# KiCad board miniFPGA_panel.kicad_pcb (continued)
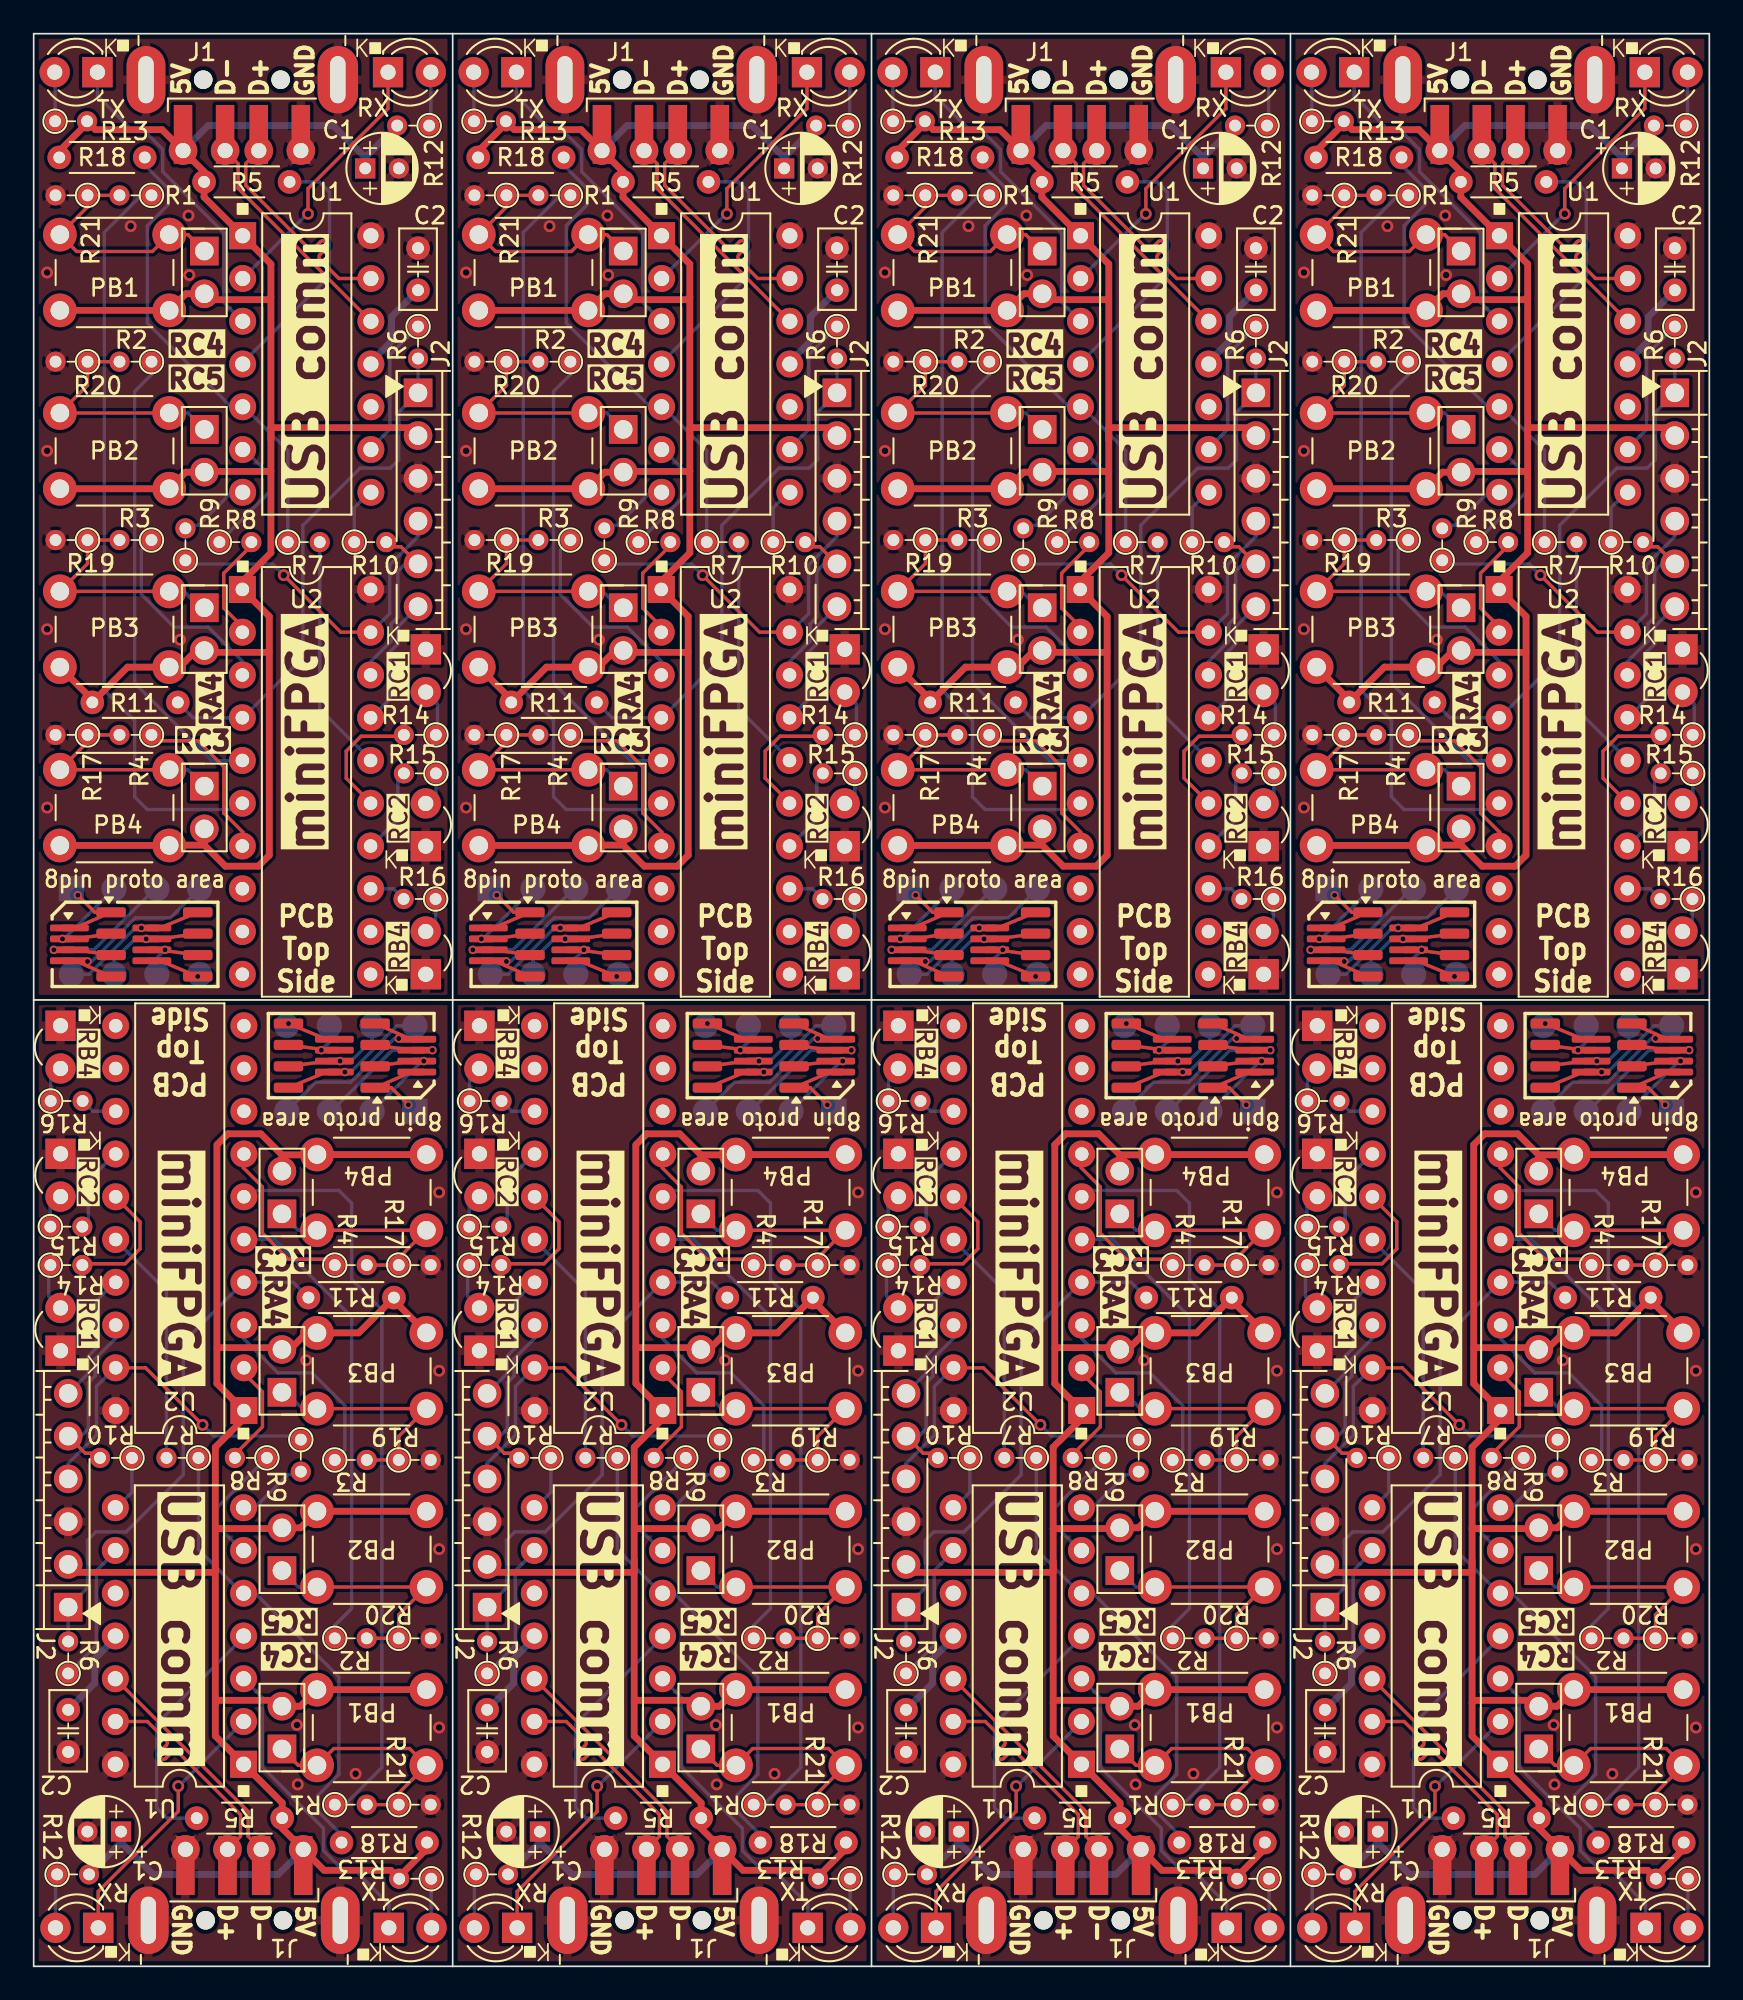
[diagram p0: board, top side]
## Routing (per net, layer and track width the routed paths; a pad name or vN(x,y) marks a point on that pad's centre or on a via; arc(x,y) is an arc through that point) (continued)
Board_4-Net-(A1-Pin_1): length 2.4
  Top w0.2: A1#3.1 21.25,52.19 v2(22.27,51.18)
Board_4-Net-(A1-Pin_2): length 4.3
  Bottom w0.2: v2(23.18,53.77) 23.09,53.77 TP2#4.1
Board_4-Net-(A1-Pin_3): length 7.6
  Bottom w0.2: v2(23.69,54.42) 21.31,54.42 17.68,50.8 TP3#8.1
Board_4-Net-(A1-Pin_4): length 8.9
  Top w0.2: A1#3.4 23.22,55.12 23.58,55.12
  Bottom w0.2: TP4#8.1 16.76,52.52 18.84,52.52 21.44,55.12 v2(21.69,55.12)
Board_4-Net-(A1-Pin_5): length 0.2
  Bottom w0.2: v2(15.14,56) 15.03,55.89 TP5#2.1
Board_4-Net-(A1-Pin_6): length 1.6
  Bottom w0.2: v2(17.09,54.42) 17.57,54.9 TP6#6.1
Board_4-Net-(A1-Pin_7): length 3.3
  Bottom w0.2: TP7#4.1 20.11,55.02 18.86,53.77 v2(18.2,53.77)
Board_4-Net-(A1-Pin_8): length 5.3
  Bottom w0.2: v2(18.49,53.12) 18.85,53.12 21.6,55.88 TP8#3.1
Board_4-Net-(JP1-A): length 14.3
  Top w0.2: 20.19,9.6 R21#7.1 21.69,10.29 PB1#7.1 22.34,12.94 17.84,12.94 PB1#7.1 15.73,11.94 JP1#2.1
Board_4-Net-(JP2-A): length 14.3
  Top w0.2: PB2#7.1 PB2#7.1 21.69,20.89 R20#3.1 20.16,19.49
  Bottom w0.2: JP2#8.1 15.73,22.53 PB2#7.1
Board_4-Net-(JP3-A): length 14.3
  Top w0.2: PB3#2.1 PB3#2.1 21.69,31.48 R19#6.1 20.16,30.08
  Bottom w0.2: PB3#2.1 15.97,33.13 14.99,34.1 JP3#5.1
Board_4-Net-(JP4-A): length 13.3
  Top w0.2: PB4#4.1 PB4#4.1 21.69,42.08 R17#8.1 20.16,41.66
  Bottom w0.2: JP4#6.1 15.73,43.72 PB4#4.1
Board_4-Net-(LED1-A): length 3.2
  Bottom w0.2: LED1#3.2 1.3,5.35 1.4,5.46
Board_4-Net-(LED1-K): length 15.9
  Top w0.2: LED1#3.1 3.84,4.45 8.59,9.2 v1(8.59,10.7)
  Bottom w0.2: 12.47,14.46 12.47,14.47 U1#7.2 8.63,10.7 v1(8.59,10.7)
Board_4-Net-(LED2-A): length 2.9
  Bottom w0.2: LED2#2.2 23.62,2.31 R13#5.1
Board_4-Net-(LED2-K): length 18.8
  Bottom w0.2: 12.47,17.09 13.59,15.97 13.59,11.83 17.22,8.2 17.22,6.87 18.29,5.8 18.99,5.8 21.1,3.69 LED2#2.1
Board_4-Net-(LED3-A): length 2.8
  Bottom w0.2: 0.89,41.66 0.89,39.81 LED3#8.2
Board_4-Net-(LED4-A): length 2
  Bottom w0.2: 0.99,43.94 0.99,45.12 LED4.2
Board_4-Net-(LED5-A): length 2.2
  Bottom w0.2: R16#3.1 1.01,52.75 LED5#7.2
Board_4-Net-(U1-GP2): length 4.1
  Bottom w0.2: 12.47,27.16 13.05,27.16 15.1,29.21 15.77,29.21
Board_4-Net-(U1-GP3): length 3.7
  Bottom w0.2: 5.86,30.48 5.84,30.46 5.84,28.16 4.85,27.16
Board_4-Net-(U1-SDA): length 8.4
  Bottom w0.2: 4.85,24.62 3.73,23.51 3.73,19.08 R6#8.1
Board_4-Net-(U1-VUSB): length 5.4
  Bottom w0.4: C2#2.1 3.63,16.81 3.63,18.27 4.84,19.48 4.85,19.48
Board_4-Net-(U1-~{RST}): length 14.9
  Bottom w0.2: R5#8.1 7.92,8.8 7.31,9.41 7.31,14.39 12.47,19.54
Board_4-VDD: length 134.9
  Top w0.4: PB2#7.2 PB2#7.2 15.85,26.05 JP2#8.2 14.71,26 10.79,26 ; PB4#4.2 PB4#4.2 16.82,48.2 14.75,48.2 ; 10.89,36.76 14.64,36.76 JP3#5.2 15.23,36.64 16.22,37.63 PB3#2.2 19.31,37.63 R11#4.1 21.41,39.56 PB3#2.2 ; 14.75,48.2 JP4#6.2 ; 14.75,48.2 13.5,49.46 11.54,49.46 10.89,48.8 10.89,34.62 12.46,33.05 12.46,32.5 10.79,30.84 10.79,13.69 14.77,9.71 14.77,8.2 17.26,5.7 21.22,5.7 R13#5.2 21.72,5.33 23.37,6.98 R18#7.1 ; 10.79,24.13 10.79,23.4 2.52,23.4 J2#8.2 ; 10.79,15.66 10.93,15.8 14.4,15.8 JP1#2.2 15.85,15.45 PB1#7.2 PB1#7.2
  Bottom w0.4: J1#5.1 14.53,5.46 7.09,5.46 5.19,7.36 ; 5.19,7.36 C1#3.1 ; 5.19,7.36 R12#4.2
Board_5-/RA0: length 20.5
  Top w0.2: v1(34.93,32.16) 31.54,35.56 29.73,35.56
  Bottom w0.2: 40.66,31.11 40.26,31.5 35.58,31.5 35.29,31.8 35.29,31.8 v1(34.93,32.16) ; 29.73,35.56 28.63,34.46 28.63,31.55 26.94,29.87 J2#4.4
Board_5-/RA1: length 10.5
  Top w0.2: J2#4.5 27.96,30.48 28.86,30.48
  Bottom w0.2: J2#4.5 27.71,31.5 28.14,31.93 28.14,34.67 28.54,35.07 28.54,36.09 29.73,37.27 29.73,38.09
Board_5-/RA2: length 7.8
  Bottom w0.2: J2#4.6 28.14,35.24 28.14,36.25 28.63,36.74 28.63,39.54 29.73,40.64
Board_5-/RA4: length 11.9
  Bottom w0.2: 37.38,38.09 37.38,37.28 39.41,35.25 41.44,35.25 43.38,33.31 43.38,30.68 R3#4.1
Board_5-/RA5: length 6.3
  Top w0.2: 36.85,30.48 36.92,30.48 38.49,32.05 38.49,34.13 37.35,35.27 37.35,35.56
Board_5-/RB4: length 2.2
  Bottom w0.2: U2#4.13 28.41,50.8 R16#8.2
Board_5-/RC0: length 14.2
  Bottom w0.2: 29.73,43.18 32.78,40.12 R7#4.2
Board_5-/RC1: length 7.5
  Top w0.2: R14#6.2 27.86,41.74 30.32,41.74 31.21,42.62 31.21,44.23 29.73,45.72
Board_5-/RC2: length 5.1
  Bottom w0.2: 29.73,48.26 28.14,46.67 28.14,44.31 27.78,43.94
Board_5-/RC3: length 10.3
  Top w0.2: R4#6.1 42.44,42 40.04,42 38.48,43.56 38.48,46.3 37.35,47.44 37.35,48.26
Board_5-/RC4: length 44.5
  Bottom w0.2: 37.35,45.72 37.72,46.09 43.03,46.09 43.78,45.34 43.78,40.8 45.58,39 45.58,11.81 43.38,9.6 43.18,9.6
Board_5-/RC5: length 27.8
  Bottom w0.2: 37.35,43.18 39.19,43.18 43.78,38.58 43.78,21.25 42.78,20.25 R2#2.1
Board_5-/URx: length 27.9
  Bottom w0.2: R7#4.1 34.68,24.76 37.36,22.08 38.13,22.08 43.03,17.19 43.03,11.4 41.78,10.16 41.78,9.2 43.18,7.8 R18#2.2
Board_5-/USB_D+: length 13.7
  Top w0.2: J1.3 37.18,7.72 37.18,9.01 33.44,12.76 arc(33.29,12.82) 33.14,12.76 32.74,12.35 arc(32.59,12.29) 32.45,12.35 32.37,12.43 arc(32.31,12.58) 32.37,12.72 32.77,13.12 arc(32.84,13.27) 32.77,13.42 31.65,14.54 U1#2.13 29.74,14.54
Board_5-/USB_D-: length 13.7
  Top w0.2: J1.2 37.63,7.72 37.63,9.2 U1#2.12 ; 29.75,17 29.74,17
Board_5-/UTx: length 7.5
  Bottom w0.2: R8#3.1 35.78,27.24 35.78,26.2 37.36,24.62
Board_5-/~{MCLR}: length 30.9
  Bottom w0.2: R11.2 40.31,40.64 37.35,40.64 33.78,37.07 33.78,29.2 30.38,25.8 28.59,25.8 28.09,25.31 28.09,22.49 J2#4.1 R6#7.2
Board_5-GNDD:
  vias: v1(40.54,14.34) v1(40.58,10.8) v1(41.08,36) v1(44.02,11.44) v1(48.98,45.97) v1(48.98,35.38) v1(48.98,24.78) v1(48.98,14.19)
Board_5-Net-(A1-Pin_1): length 2.4
  Top w0.2: v2(47.16,51.18) 46.15,52.19 A1#6.1
Board_5-Net-(A1-Pin_2): length 4.3
  Bottom w0.2: TP2#3.1 47.98,53.77 v2(48.07,53.77)
Board_5-Net-(A1-Pin_3): length 7.6
  Bottom w0.2: v2(48.58,54.42) 46.2,54.42 42.57,50.8 TP3#5.1
Board_5-Net-(A1-Pin_4): length 8.9
  Top w0.2: A1#6.4 48.11,55.12 48.47,55.12
  Bottom w0.2: v2(46.58,55.12) 46.33,55.12 43.73,52.52 41.65,52.52 TP4.1
Board_5-Net-(A1-Pin_5): length 0.2
  Bottom w0.2: v2(40.03,56) 39.92,55.89 TP5#7.1
Board_5-Net-(A1-Pin_6): length 1.6
  Bottom w0.2: TP6#5.1 42.46,54.9 v2(41.98,54.42)
Board_5-Net-(A1-Pin_7): length 3.3
  Bottom w0.2: TP7#3.1 45,55.02 43.75,53.77 v2(43.1,53.77)
Board_5-Net-(A1-Pin_8): length 5.3
  Bottom w0.2: v2(43.38,53.12) 43.74,53.12 46.49,55.88 TP8#7.1
Board_5-Net-(JP1-A): length 14.3
  Top w0.2: JP1#6.1 40.62,11.94 PB1#2.1 42.73,12.94 47.23,12.94 PB1#2.1 46.58,10.29 R21.1 45.08,9.6
Board_5-Net-(JP2-A): length 14.3
  Top w0.2: PB2.1 PB2.1 46.58,20.89 R20#6.1 45.05,19.49
  Bottom w0.2: PB2.1 40.62,22.53 JP2#5.1
Board_5-Net-(JP3-A): length 14.3
  Top w0.2: PB3.1 PB3.1 46.58,31.48 R19#7.1 45.05,30.08
  Bottom w0.2: PB3.1 40.86,33.13 39.88,34.1 JP3.1
Board_5-Net-(JP4-A): length 13.3
  Top w0.2: 45.05,41.66 R17.1 46.58,42.08 PB4#7.1 PB4#7.1
  Bottom w0.2: PB4#7.1 40.62,43.72 JP4#3.1
Board_5-Net-(LED1-A): length 3.2
  Bottom w0.2: 26.19,2.29 26.19,5.35 26.29,5.46
Board_5-Net-(LED1-K): length 15.9
  Top w0.2: LED1#8.1 28.73,4.45 33.48,9.2 v1(33.48,10.7)
  Bottom w0.2: v1(33.48,10.7) 33.53,10.7 U1#2.2 37.37,14.47 37.36,14.46
Board_5-Net-(LED2-A): length 2.9
  Bottom w0.2: LED2#5.2 48.51,2.31 R13.1
Board_5-Net-(LED2-K): length 18.8
  Bottom w0.2: 37.36,17.09 38.48,15.97 38.48,11.83 42.12,8.2 42.12,6.87 43.18,5.8 43.88,5.8 45.99,3.69 LED2#5.1
Board_5-Net-(LED3-A): length 2.8
  Bottom w0.2: 25.79,41.66 25.79,39.81 LED3.2
Board_5-Net-(LED4-A): length 2
  Bottom w0.2: LED4#6.2 25.88,45.12 25.88,43.94
Board_5-Net-(LED5-A): length 2.2
  Bottom w0.2: LED5#2.2 25.9,52.75 R16#8.1
Board_5-Net-(U1-GP2): length 4.1
  Bottom w0.2: 37.36,27.16 37.94,27.16 39.99,29.21 40.66,29.21
Board_5-Net-(U1-GP3): length 3.7
  Bottom w0.2: 29.74,27.16 30.73,28.16 30.73,30.46 30.76,30.48
Board_5-Net-(U1-SDA): length 8.4
  Bottom w0.2: R6#7.1 28.62,19.08 28.62,23.51 29.74,24.62
Board_5-Net-(U1-VUSB): length 5.4
  Bottom w0.4: C2#5.1 28.52,16.81 28.52,18.27 29.73,19.48 29.74,19.48
Board_5-Net-(U1-~{RST}): length 14.9
  Bottom w0.2: 37.36,19.54 32.2,14.39 32.2,9.41 32.81,8.8 R5#2.1
Board_5-VDD: length 134.9
  Top w0.4: PB2.2 PB2.2 40.74,26.05 JP2#5.2 39.6,26 35.68,26 ; J2#4.2 27.42,23.4 35.68,23.4 35.68,24.13 ; 35.68,15.66 35.82,15.8 39.29,15.8 JP1#6.2 40.74,15.45 PB1#2.2 PB1#2.2 ; 39.64,48.2 38.39,49.46 36.43,49.46 35.78,48.8 35.78,34.62 37.35,33.05 37.35,32.5 35.68,30.84 35.68,13.69 39.66,9.71 39.66,8.2 42.15,5.7 46.11,5.7 R13.2 46.61,5.33 48.26,6.98 R18#2.1 ; 39.64,48.2 41.71,48.2 PB4#7.2 PB4#7.2 ; 39.64,48.2 JP4#3.2 ; 35.78,36.76 39.53,36.76 JP3.2 40.12,36.64 41.11,37.63 PB3.2 44.2,37.63 R11.1 46.3,39.56 PB3.2
  Bottom w0.4: 30.08,7.36 R12#5.2 ; 30.08,7.36 31.98,5.46 39.42,5.46 J1.1 ; 30.08,7.36 C1.1
Board_6-/RA0: length 20.5
  Top w0.2: v1(59.82,32.16) 56.43,35.56 54.62,35.56
  Bottom w0.2: 54.62,35.56 53.52,34.46 53.52,31.55 51.84,29.87 J2#3.4 ; v1(59.82,32.16) 60.18,31.8 60.18,31.8 60.48,31.5 65.16,31.5 65.55,31.11
Board_6-/RA1: length 10.5
  Top w0.2: J2#3.5 52.85,30.48 53.75,30.48
  Bottom w0.2: 54.62,38.09 54.62,37.27 53.44,36.09 53.44,35.07 53.04,34.67 53.04,31.93 52.6,31.5 J2#3.5
Board_6-/RA2: length 7.8
  Bottom w0.2: J2#3.6 53.04,35.24 53.04,36.25 53.52,36.74 53.52,39.54 54.62,40.64
Board_6-/RA4: length 11.9
  Bottom w0.2: R3#6.1 68.28,30.68 68.28,33.31 66.33,35.25 64.3,35.25 62.28,37.28 62.28,38.09
Board_6-/RA5: length 6.3
  Top w0.2: 61.74,30.48 61.81,30.48 63.38,32.05 63.38,34.13 62.24,35.27 62.24,35.56
Board_6-/RB4: length 2.2
  Bottom w0.2: R16#5.2 53.3,50.8 U2#7.13
Board_6-/RC0: length 14.2
  Bottom w0.2: R7#2.2 57.68,40.12 54.62,43.18
Board_6-/RC1: length 7.5
  Top w0.2: R14#7.2 52.76,41.74 55.22,41.74 56.1,42.62 56.1,44.23 54.62,45.72
Board_6-/RC2: length 5.1
  Bottom w0.2: 54.62,48.26 53.04,46.67 53.04,44.31 52.67,43.94
Board_6-/RC3: length 10.3
  Top w0.2: R4#4.1 67.33,42 64.93,42 63.38,43.56 63.38,46.3 62.24,47.44 62.24,48.26
Board_6-/RC4: length 44.5
  Bottom w0.2: 62.24,45.72 62.61,46.09 67.93,46.09 68.68,45.34 68.68,40.8 70.48,39 70.48,11.81 68.27,9.6 68.08,9.6
Board_6-/RC5: length 27.8
  Bottom w0.2: 62.24,43.18 64.08,43.18 68.68,38.58 68.68,21.25 67.68,20.25 R2#8.1
Board_6-/URx: length 27.9
  Bottom w0.2: R18.2 68.08,7.8 66.68,9.2 66.68,10.16 67.92,11.4 67.92,17.19 63.03,22.08 62.25,22.08 59.58,24.76 R7#2.1
Board_6-/USB_D+: length 13.7
  Top w0.2: 54.63,14.54 U1#4.13 56.54,14.54 57.67,13.42 arc(57.73,13.27) 57.67,13.12 57.26,12.72 arc(57.2,12.58) 57.26,12.43 57.34,12.35 arc(57.49,12.29) 57.63,12.35 58.03,12.76 arc(58.18,12.82) 58.33,12.76 62.08,9.01 62.08,7.72 J1#3.3
Board_6-/USB_D-: length 13.7
  Top w0.2: U1#4.12 62.53,9.2 62.53,7.72 J1#3.2 ; 54.64,17 54.63,17
Board_6-/UTx: length 7.5
  Bottom w0.2: R8#4.1 60.68,27.24 60.68,26.2 62.25,24.62
Board_6-/~{MCLR}: length 30.9
  Bottom w0.2: R11#7.2 65.2,40.64 62.24,40.64 58.68,37.07 58.68,29.2 55.28,25.8 53.48,25.8 52.99,25.31 52.99,22.49 J2#3.1 R6#2.2
Board_6-GNDD:
  vias: v1(65.43,14.34) v1(65.48,10.8) v1(65.98,36) v1(68.91,11.44) v1(73.88,45.97) v1(73.88,35.38) v1(73.88,24.78) v1(73.88,14.19)
Board_6-Net-(A1-Pin_1): length 2.4
  Top w0.2: A1#7.1 71.04,52.19 v2(72.05,51.18)
Board_6-Net-(A1-Pin_2): length 4.3
  Bottom w0.2: v2(72.96,53.77) 72.88,53.77 TP2.1
Board_6-Net-(A1-Pin_3): length 7.6
  Bottom w0.2: v2(73.48,54.42) 71.1,54.42 67.47,50.8 TP3#3.1
Board_6-Net-(A1-Pin_4): length 8.9
  Top w0.2: A1#7.4 73,55.12 73.36,55.12
  Bottom w0.2: TP4#3.1 66.54,52.52 68.63,52.52 71.22,55.12 v2(71.48,55.12)
Board_6-Net-(A1-Pin_5): length 0.2
  Bottom w0.2: v2(64.93,56) 64.82,55.89 TP5.1
Board_6-Net-(A1-Pin_6): length 1.6
  Bottom w0.2: TP6#2.1 67.36,54.9 v2(66.88,54.42)
Board_6-Net-(A1-Pin_7): length 3.3
  Bottom w0.2: v2(67.99,53.77) 68.65,53.77 69.9,55.02 TP7#2.1
Board_6-Net-(A1-Pin_8): length 5.3
  Bottom w0.2: TP8#5.1 71.38,55.88 68.63,53.12 v2(68.28,53.12)
Board_6-Net-(JP1-A): length 14.3
  Top w0.2: 69.98,9.6 R21#4.1 71.48,10.29 PB1#6.1 72.12,12.94 67.62,12.94 PB1#6.1 65.51,11.94 JP1.1
Board_6-Net-(JP2-A): length 14.3
  Top w0.2: 69.94,19.49 R20.1 71.48,20.89 PB2#3.1 PB2#3.1
  Bottom w0.2: PB2#3.1 65.51,22.53 JP2#7.1
Board_6-Net-(JP3-A): length 14.3
  Top w0.2: PB3#6.1 PB3#6.1 71.48,31.48 R19#5.1 69.94,30.08
  Bottom w0.2: JP3#6.1 64.78,34.1 65.75,33.13 PB3#6.1
Board_6-Net-(JP4-A): length 13.3
  Top w0.2: PB4.1 PB4.1 71.48,42.08 R17#3.1 69.94,41.66
  Bottom w0.2: PB4.1 65.51,43.72 JP4#2.1
Board_6-Net-(LED1-A): length 3.2
  Bottom w0.2: 51.08,2.29 51.08,5.35 51.19,5.46
Board_6-Net-(LED1-K): length 15.9
  Top w0.2: v1(58.38,10.7) 58.38,9.2 53.62,4.45 LED1.1
  Bottom w0.2: v1(58.38,10.7) 58.42,10.7 U1#4.2 62.26,14.47 62.25,14.46
Board_6-Net-(LED2-A): length 2.9
  Bottom w0.2: LED2#6.2 73.41,2.31 R13#8.1
Board_6-Net-(LED2-K): length 18.8
  Bottom w0.2: 62.25,17.09 63.38,15.97 63.38,11.83 67.01,8.2 67.01,6.87 68.08,5.8 68.78,5.8 70.89,3.69 LED2#6.1
Board_6-Net-(LED3-A): length 2.8
  Bottom w0.2: LED3#4.2 50.68,39.81 50.68,41.66
Board_6-Net-(LED4-A): length 2
  Bottom w0.2: 50.77,43.94 50.77,45.12 LED4#2.2
Board_6-Net-(LED5-A): length 2.2
  Bottom w0.2: LED5#4.2 50.79,52.75 R16#5.1
Board_6-Net-(U1-GP2): length 4.1
  Bottom w0.2: 62.25,27.16 62.84,27.16 64.88,29.21 65.55,29.21
Board_6-Net-(U1-GP3): length 3.7
  Bottom w0.2: 55.65,30.48 55.63,30.46 55.63,28.16 54.63,27.16
Board_6-Net-(U1-SDA): length 8.4
  Bottom w0.2: R6#2.1 53.51,19.08 53.51,23.51 54.63,24.62
Board_6-Net-(U1-VUSB): length 5.4
  Bottom w0.4: 54.63,19.48 54.62,19.48 53.41,18.27 53.41,16.81 C2#8.1
Board_6-Net-(U1-~{RST}): length 14.9
  Bottom w0.2: 62.25,19.54 57.09,14.39 57.09,9.41 57.7,8.8 R5#5.1
Board_6-VDD: length 134.9
  Top w0.4: 64.54,48.2 66.6,48.2 PB4.2 PB4.2 ; 64.54,48.2 JP4#2.2 ; 64.54,48.2 63.29,49.46 61.33,49.46 60.68,48.8 60.68,34.62 62.24,33.05 62.24,32.5 60.58,30.84 60.58,13.69 64.55,9.71 64.55,8.2 67.04,5.7 71,5.7 R13#8.2 71.5,5.33 73.16,6.98 R18.1 ; 60.58,15.66 60.72,15.8 64.18,15.8 JP1.2 65.63,15.45 PB1#6.2 PB1#6.2 ; PB2#3.2 PB2#3.2 65.63,26.05 JP2#7.2 64.49,26 60.58,26 ; 60.68,36.76 64.42,36.76 JP3#6.2 65.02,36.64 66,37.63 PB3#6.2 69.09,37.63 R11#7.1 71.19,39.56 PB3#6.2 ; J2#3.2 52.31,23.4 60.58,23.4 60.58,24.13
  Bottom w0.4: C1#7.1 54.98,7.36 ; 54.98,7.36 56.88,5.46 64.31,5.46 J1#3.1 ; 54.98,7.36 R12#6.2
Board_7-/RA0: length 20.5
  Top w0.2: v1(84.71,32.16) 81.32,35.56 79.51,35.56
  Bottom w0.2: 79.51,35.56 78.41,34.46 78.41,31.55 76.73,29.87 J2.4 ; v1(84.71,32.16) 85.07,31.8 85.07,31.8 85.37,31.5 90.05,31.5 90.44,31.11
Board_7-/RA1: length 10.5
  Top w0.2: J2.5 77.74,30.48 78.64,30.48
  Bottom w0.2: 79.51,38.09 79.51,37.27 78.33,36.09 78.33,35.07 77.93,34.67 77.93,31.93 77.49,31.5 J2.5
Board_7-/RA2: length 7.8
  Bottom w0.2: 79.51,40.64 78.41,39.54 78.41,36.74 77.93,36.25 77.93,35.24 J2.6
Board_7-/RA4: length 11.9
  Bottom w0.2: R3#3.1 93.17,30.68 93.17,33.31 91.23,35.25 89.19,35.25 87.17,37.28 87.17,38.09
Board_7-/RA5: length 6.3
  Top w0.2: 86.63,30.48 86.7,30.48 88.27,32.05 88.27,34.13 87.13,35.27 87.13,35.56
Board_7-/RB4: length 2.2
  Bottom w0.2: R16.2 78.19,50.8 U2.13
Board_7-/RC0: length 14.2
  Bottom w0.2: R7#3.2 82.57,40.12 79.51,43.18
Board_7-/RC1: length 7.5
  Top w0.2: 79.51,45.72 81,44.23 81,42.62 80.11,41.74 77.65,41.74 R14#4.2
Board_7-/RC2: length 5.1
  Bottom w0.2: 79.51,48.26 77.93,46.67 77.93,44.31 77.56,43.94
Board_7-/RC3: length 10.3
  Top w0.2: 87.13,48.26 87.13,47.44 88.27,46.3 88.27,43.56 89.82,42 92.22,42 R4#5.1
Board_7-/RC4: length 44.5
  Bottom w0.2: 92.97,9.6 93.16,9.6 95.37,11.81 95.37,39 93.57,40.8 93.57,45.34 92.82,46.09 87.51,46.09 87.13,45.72
Board_7-/RC5: length 27.8
  Bottom w0.2: 87.13,43.18 88.98,43.18 93.57,38.58 93.57,21.25 92.57,20.25 R2#4.1
Board_7-/URx: length 27.9
  Bottom w0.2: R7#3.1 84.47,24.76 87.14,22.08 87.92,22.08 92.81,17.19 92.81,11.4 91.57,10.16 91.57,9.2 92.97,7.8 R18#6.2
Board_7-/USB_D+: length 13.7
  Top w0.2: 79.52,14.54 U1#5.13 81.43,14.54 82.56,13.42 arc(82.62,13.27) 82.56,13.12 82.16,12.72 arc(82.1,12.58) 82.16,12.43 82.23,12.35 arc(82.38,12.29) 82.52,12.35 82.93,12.76 arc(83.07,12.82) 83.22,12.76 86.97,9.01 86.97,7.72 J1#7.3
Board_7-/USB_D-: length 13.7
  Top w0.2: J1#7.2 87.42,7.72 87.42,9.2 U1#5.12 ; 79.53,17 79.52,17
Board_7-/UTx: length 7.5
  Bottom w0.2: R8#5.1 85.57,27.24 85.57,26.2 87.14,24.62
Board_7-/~{MCLR}: length 30.9
  Bottom w0.2: R6#6.2 J2.1 77.88,22.49 77.88,25.31 78.37,25.8 80.17,25.8 83.57,29.2 83.57,37.07 87.13,40.64 90.09,40.64 R11#2.2
Board_7-GNDD:
  vias: v1(90.32,14.34) v1(90.37,10.8) v1(90.87,36) v1(93.8,11.44) v1(98.77,45.97) v1(98.77,35.38) v1(98.77,24.78) v1(98.77,14.19)
Board_7-Net-(A1-Pin_1): length 2.4
  Top w0.2: v2(96.94,51.18) 95.93,52.19 A1#4.1
Board_7-Net-(A1-Pin_2): length 4.3
  Bottom w0.2: TP2#8.1 97.77,53.77 v2(97.86,53.77)
Board_7-Net-(A1-Pin_3): length 7.6
  Bottom w0.2: TP3#6.1 92.36,50.8 95.99,54.42 v2(98.37,54.42)
Board_7-Net-(A1-Pin_4): length 8.9
  Top w0.2: 98.26,55.12 97.9,55.12 A1#4.4
  Bottom w0.2: TP4#6.1 91.43,52.52 93.52,52.52 96.11,55.12 v2(96.37,55.12)
Board_7-Net-(A1-Pin_5): length 0.2
  Bottom w0.2: TP5#6.1 89.71,55.89 v2(89.82,56)
Board_7-Net-(A1-Pin_6): length 1.6
  Bottom w0.2: TP6#3.1 92.25,54.9 v2(91.77,54.42)
Board_7-Net-(A1-Pin_7): length 3.3
  Bottom w0.2: v2(92.88,53.77) 93.54,53.77 94.79,55.02 TP7.1
Board_7-Net-(A1-Pin_8): length 5.3
  Bottom w0.2: TP8#4.1 96.27,55.88 93.52,53.12 v2(93.17,53.12)
Board_7-Net-(JP1-A): length 14.3
  Top w0.2: 94.87,9.6 R21#8.1 96.37,10.29 PB1.1 97.01,12.94 92.51,12.94 PB1.1 90.4,11.94 JP1#3.1
Board_7-Net-(JP2-A): length 14.3
  Top w0.2: PB2#4.1 PB2#4.1 96.37,20.89 R20#5.1 94.83,19.49
  Bottom w0.2: JP2.1 90.4,22.53 PB2#4.1
Board_7-Net-(JP3-A): length 14.3
  Top w0.2: PB3#4.1 PB3#4.1 96.37,31.48 R19#3.1 94.83,30.08
  Bottom w0.2: PB3#4.1 90.64,33.13 89.67,34.1 JP3#3.1
Board_7-Net-(JP4-A): length 13.3
  Top w0.2: PB4#6.1 PB4#6.1 96.37,42.08 R17#2.1 94.83,41.66
  Bottom w0.2: PB4#6.1 90.4,43.72 JP4#5.1
Board_7-Net-(LED1-A): length 3.2
  Bottom w0.2: 76.08,5.46 75.97,5.35 LED1#2.2
Board_7-Net-(LED1-K): length 15.9
  Top w0.2: v1(83.27,10.7) 83.27,9.2 78.51,4.45 LED1#2.1
  Bottom w0.2: 87.14,14.46 87.15,14.47 U1#5.2 83.31,10.7 v1(83.27,10.7)
Board_7-Net-(LED2-A): length 2.9
  Bottom w0.2: R13#4.1 98.3,2.31 LED2#8.2
Board_7-Net-(LED2-K): length 18.8
  Bottom w0.2: 87.14,17.09 88.27,15.97 88.27,11.83 91.9,8.2 91.9,6.87 92.97,5.8 93.67,5.8 95.78,3.69 LED2#8.1
Board_7-Net-(LED3-A): length 2.8
  Bottom w0.2: 75.57,41.66 75.57,39.81 LED3#3.2
Board_7-Net-(LED4-A): length 2
  Bottom w0.2: LED4#5.2 75.66,45.12 75.66,43.94
Board_7-Net-(LED5-A): length 2.2
  Bottom w0.2: R16.1 75.69,52.75 LED5#3.2
Board_7-Net-(U1-GP2): length 4.1
  Bottom w0.2: 90.44,29.21 89.77,29.21 87.73,27.16 87.14,27.16
Board_7-Net-(U1-GP3): length 3.7
  Bottom w0.2: 80.54,30.48 80.52,30.46 80.52,28.16 79.52,27.16
Board_7-Net-(U1-SDA): length 8.4
  Bottom w0.2: R6#6.1 78.4,19.08 78.4,23.51 79.52,24.62
Board_7-Net-(U1-VUSB): length 5.4
  Bottom w0.4: C2#6.1 78.3,16.81 78.3,18.27 79.51,19.48 79.52,19.48
Board_7-Net-(U1-~{RST}): length 14.9
  Bottom w0.2: R5#7.1 82.59,8.8 81.99,9.41 81.99,14.39 87.14,19.54
Board_7-VDD: length 134.9
  Top w0.4: J2.2 77.2,23.4 85.47,23.4 85.47,24.13 ; 85.57,36.76 89.32,36.76 JP3#3.2 89.91,36.64 90.89,37.63 PB3#4.2 93.99,37.63 R11#2.1 96.08,39.56 PB3#4.2 ; 89.43,48.2 91.49,48.2 PB4#6.2 PB4#6.2 ; 89.43,48.2 JP4#5.2 ; 89.43,48.2 88.18,49.46 86.22,49.46 85.57,48.8 85.57,34.62 87.13,33.05 87.13,32.5 85.47,30.84 85.47,13.69 89.44,9.71 89.44,8.2 91.94,5.7 95.9,5.7 R13#4.2 96.4,5.33 98.05,6.98 R18#6.1 ; 85.47,26 89.38,26 JP2.2 90.53,26.05 PB2#4.2 PB2#4.2 ; 85.47,15.66 85.61,15.8 89.08,15.8 JP1#3.2 90.53,15.45 PB1.2 PB1.2
  Bottom w0.4: J1#7.1 89.21,5.46 81.77,5.46 79.87,7.36 ; 79.87,7.36 R12#2.2 ; 79.87,7.36 C1#4.1

## Copper pours and planes (outline as drawn; the poured copper is in the pictures)
Board_0-GNDD on Top, Bottom: 0,114.81 24.89,114.81 24.89,57.4 0,57.4
Board_1-GNDD on Top, Bottom: 24.89,114.81 49.78,114.81 49.78,57.4 24.89,57.4
Board_2-GNDD on Top, Bottom: 49.78,114.81 74.68,114.81 74.68,57.4 49.78,57.4
Board_3-GNDD on Top, Bottom: 74.68,114.81 99.57,114.81 99.57,57.4 74.68,57.4
Board_4-GNDD on Top, Bottom: 24.89,0 0,0 0,57.4 24.89,57.4
Board_5-GNDD on Top, Bottom: 49.78,0 24.89,0 24.89,57.4 49.78,57.4
Board_6-GNDD on Top, Bottom: 74.68,0 49.78,0 49.78,57.4 74.68,57.4
Board_7-GNDD on Top, Bottom: 99.57,0 74.68,0 74.68,57.4 99.57,57.4

## Text on the board
B.Silkscreen: ~{M} | 1 | USB | K | A | LED | PCB / bot. | GND | D+ | D- | 5V | miniFPGA | D | C | v3.0 | ← / RC1 | RC2 / ← | RB4 / ←
F.Mask: i
F.Silkscreen: GND | D+ | D- | 5V | PCB / Top / Side | USB comm | miniFPGA
